# Altium PCB Gesturelink V1.PcbDoc (part 8 of 9) (continued)
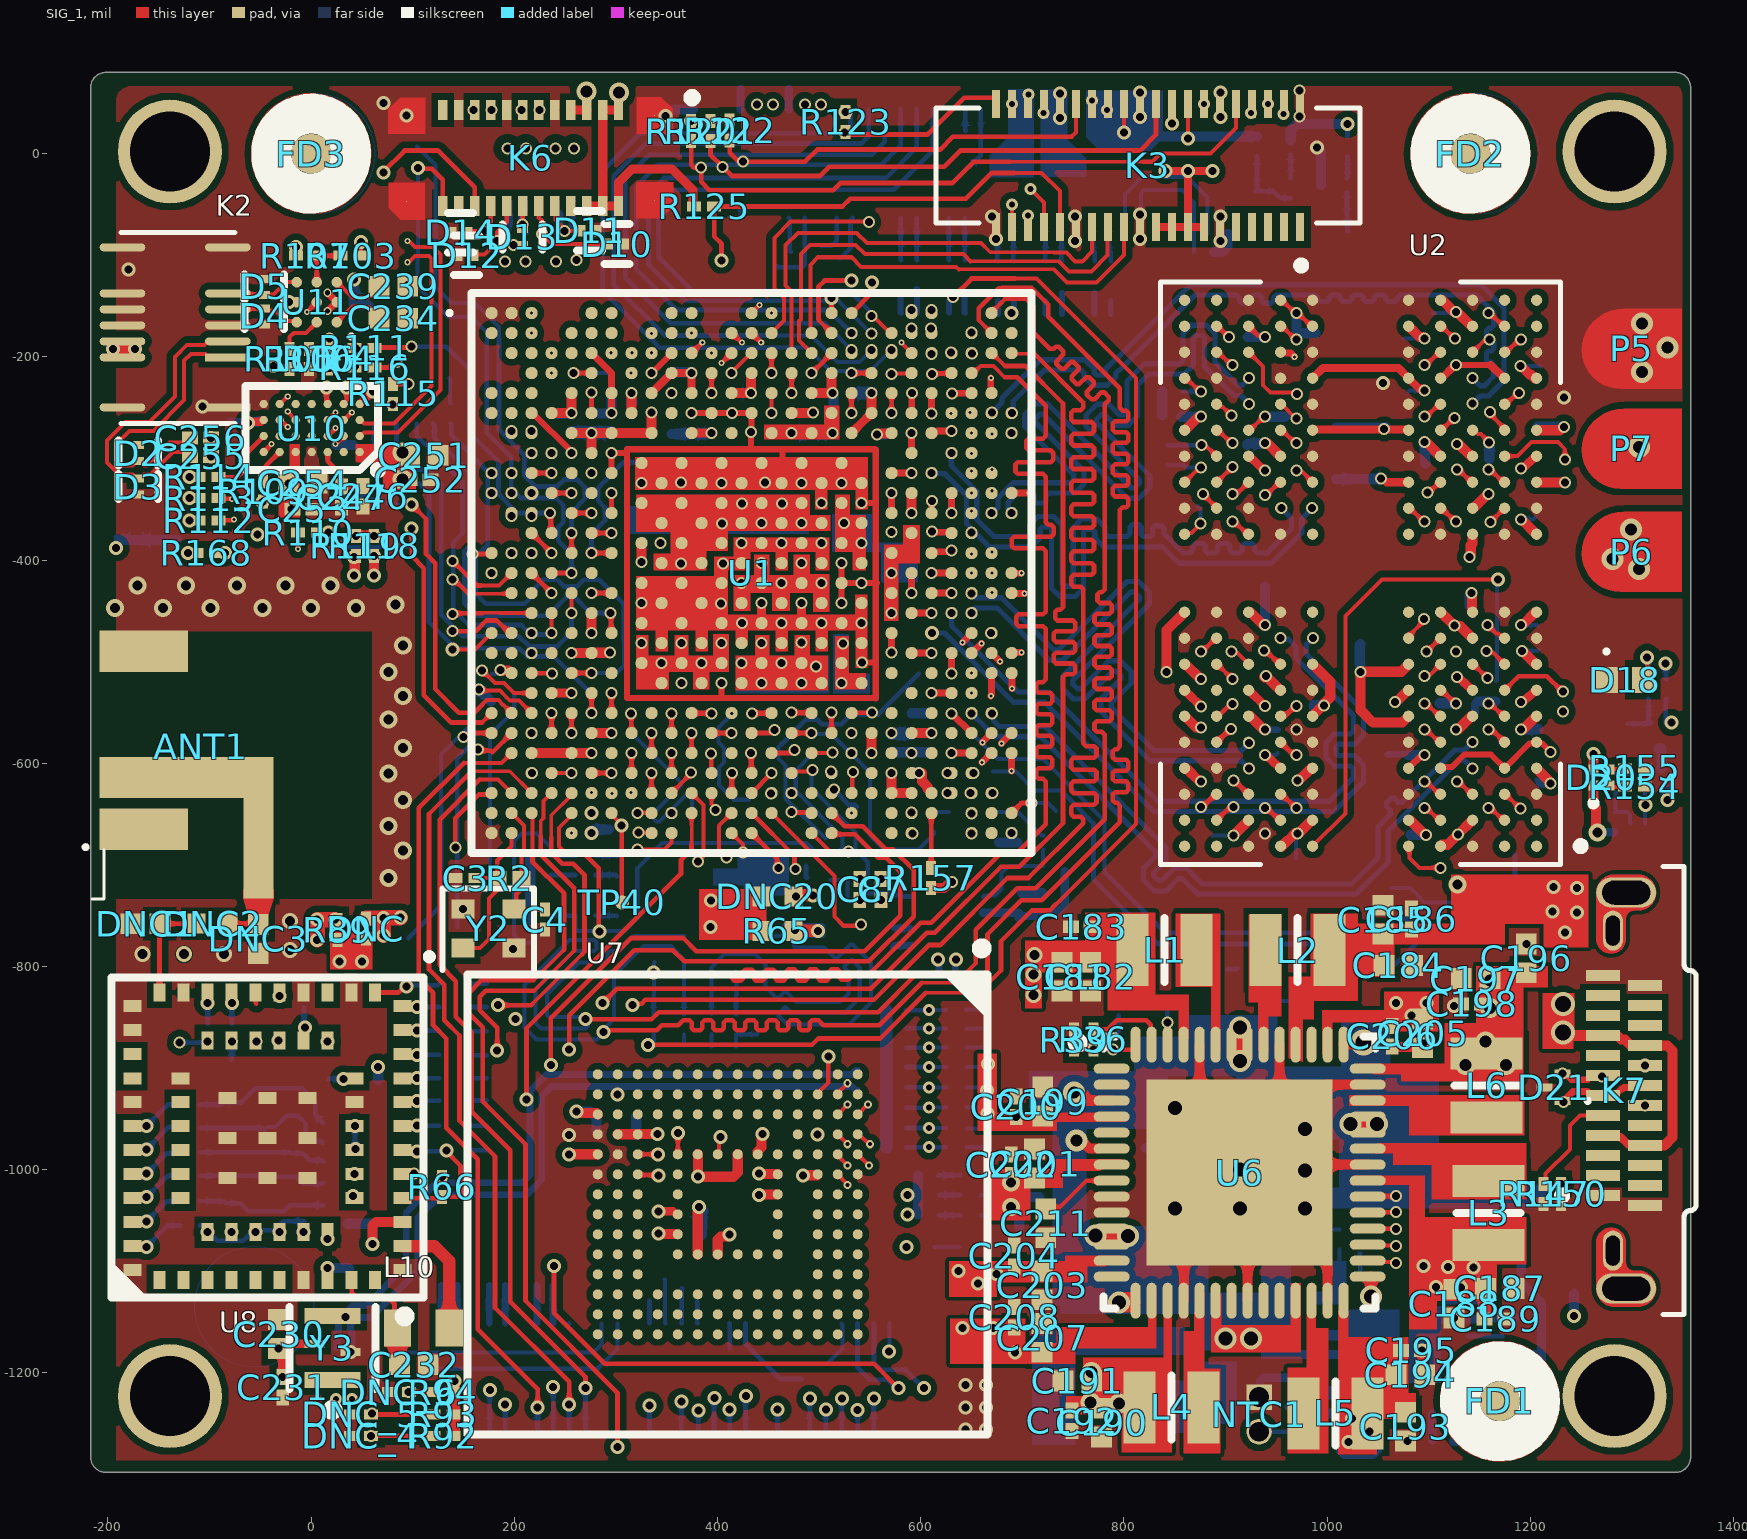
[diagram p0: SIG_1 view]
## Nets (pads, with @x,y where several pads share a name; then routed paths per layer and width w, separated by ;. In a path a pad name is that pad's centre, name@x,y a point inside that pad or via, vN(x,y) a via of type N, cw(c..) or ccw(c..) an arc to the next point about the centre after c; other vN are vias at no path point) (continued)
  SIG_1 w4: v2(254,-984.99) v2@254.06,-984.94 ; v2@480,-1006.52 480.53,-1005.99 v2(484.2,-1005.99) ; U7.C6@497.68,-1005.57 U7.C6@498.63,-1004.62
  SIG_1 w10: v2@254.06,-984.94 U7.P5@282.09,-984.94 ; v2@259.22,-942.77 260.16,-943.72 262.4,-943.72 262.91,-944.23 280.76,-944.23 U7.P3@282.09,-945.57 ; U7.N4@301.78,-965.25 U7.M4@321.46,-965.25 321.59,-965.12 340.87,-965.12 v2(341,-964.99) ; v2(484.2,-1005.99) 484.62,-1005.57 U7.C6@497.68,-1005.57 ; U1.E17@492.53,-235.67 v1(513,-235.67) ; v1@512.21,-235.67 U1.D18@512.21,-215.98
  SIG_4 w4: v1(513,-235.67) C83.2@514,-236.67
  SIG_4 w10: v2@259,-942.99 275,-942.99 281,-948.99 281,-961.82 C221.2@283,-963.82 ; C223.2@320.76,-946.99 320,-947.76 C222.2@320,-965.99 321,-964.99 v2(341,-964.99) ; C85.2@514,-255.99 C83.2@514,-236.67
  SIG_4 w12: R48.2@565.76,-842.99 566.08,-843.31 566.08,-860.99 566.08,-879.99 566.08,-898.99 566.08,-918.99 R51.2@566.08,-938.99 v24(566.08,-958.99) v24(566.08,-977.99)
  other v2: 261,-942.99
  other v17: 393,-760.99 393.8,-734.99
  other v24: 438.42,-846.49
VDD_SOC_0V8: C22.2 C23.2 C24.2 C25.2 C26.2 C27.2 C28.2 C29.2 C30.2 C31.2 C32.2 C33.2 C34.2 C35.2 C36.2 C37.2 C38.2 C39.2 C40.2 C41.2 C42.2 C43.2 C44.2 C45.2 C46.2 C48.2 C59.2 C60.2 C61.2 C64.2 C65.2 C67.2 C193.2 C194.2 C195.2 C196.2 C197.2 C198.2 L5.2 L6.2 U1.AAC1 U1.AAC3 U1.AAC5 U1.AAC7 U1.AAC9 U1.AAD2 U1.AAD4 U1.AAD6 U1.AAD8 U1.AAD10 U1.AAE3 U1.AAE5 U1.AAF2 U1.AAF4 U1.AAG7 U1.AAG9 U1.AAH6 U1.AAH8 U1.AAH10 U1.AAL7 U1.AAL9 U1.AAM6 U1.AAM8 U1.AAM10 U1.E5 U1.F4 U1.F8 U1.F18 U1.G15 U1.G17 U6.28 U6.42 | length 138.7
  SIG_1 w10: U1.F4@236.62,-255.35 v1(256.31,-255.35) U1.E5@256.31,-235.67 ; U1.F8@315.36,-255.35 v1(315.36,-235.67)
  SIG_4 w4: C61.2@255.67,-255.99 v1(256.31,-255.35)
  SIG_4 w10: C65.2@236.24,-255.99 C61.2@255.67,-255.99 ; C60.2@315.36,-254.96 v1(315.36,-235.67)
  SIG_4 w12: v1(473,-275.04) v1(513,-275.04)
  other v1: 443.32,-521.1 482.68,-521.1 496.87,-504.59 423.63,-501.42 463,-501.42 443.32,-481.73 482.68,-481.34 423.68,-422.73 463,-422.68 502.37,-422.68 364.26,-403.51 443.32,-402.99 482.68,-402.99 404.3,-363.98 443.32,-363.62 482.68,-363.62 423.98,-344.29 463.45,-344.39
  other v14: 1021,-1267.99 1041.5,-1257.99 1024.5,-1244.99
  other v43: 1136,-896.99 1176,-896.99 1156,-873.99 1160.35,-840.99 1160.35,-813.99
VDDQDDR_1V1: C50.2 C51.2 C52.2 C53.2 C54.2 C55.2 C56.2 C57.2 C58.2 C97.2 C98.2 C99.2 C100.2 C101.2 C102.2 C103.2 C104.2 C105.2 C106.2 C107.2 C108.2 C109.2 C110.2 C111.2 C112.2 C113.2 C114.2 C115.2 C116.2 C117.2 C127.2 C128.2 C129.2 C130.2 C131.2 C132.2 C133.2 C134.2 C135.2 C136.2 C138.2 C139.2 C140.2 C141.2 C142.2 C143.2 C144.2 C145.2 C146.2 C147.2 C148.2 C149.2 C150.2 C151.2 C184.2 C185.2 C186.2 L2.2 R6.2 R8.1 R9.1 R10.1 R11.1 R12.1 U1.AAC11 U1.AAD12 U1.AAE11 U1.AAF12 U1.AAL11 U1.AAM12 U1.G21 U1.M22 U1.N21 U1.R21 U2.A4 U2.A9 U2.AA3 U2.AA5 U2.AA8 U2.AA10 U2.AB4 U2.AB9 U2.B3 U2.B5 U2.B8 U2.B10 U2.D1 U2.D5 U2.D8 U2.D12 U2.F3 U2.F5 U2.F8 U2.F10 U2.H1 U2.H5 U2.H8 U2.H12 U2.K1 U2.K3 U2.K10 U2.K12 U2.N1 U2.N3 U2.N10 U2.N12 U2.R1 U2.R5 U2.R8 U2.R12 U2.U3 U2.U5 U2.U8 U2.U10 U2.W1 U2.W5 U2.W8 U2.W12 U6.46 | length 1960.9
  SIG_1 w3.94: U2.N12@859.77,-374.61 861.13,-373.25 866.41,-373.25 v1@875.81,-363.84 ; U2.R12@859.77,-323.43 870.7,-312.5 874.49,-312.5 v1@875.99,-310.99 ; U2.W12@859.77,-221.06 861.42,-221.06 874.35,-233.99 v1(875.99,-233.99) ; v1(907.02,-361.99) 908.58,-361.99 921.2,-374.61 U2.N10@922.76,-374.61 ; U2.U10@922.76,-272.24 924.25,-272.24 937.5,-258.99 v1(938.98,-258.99) ; U2.AB9@954.26,-144.29 955.78,-144.29 968.48,-156.99 v1(970.01,-156.99) 971.44,-156.99 984.33,-169.88 U2.AA8@985.76,-169.88 ; v1(970,-311.99) 971.51,-313.5 975.83,-313.5 U2.R8@985.76,-323.43 ; U2.B5@1080.24,-656.1 U2.B5@1081.67,-656.1 ; v1@1096.04,-670.47 v1(1097.47,-670.47) ; U2.F3@1141.74,-553.74 U2.F3@1143.24,-553.74 ; U2.U3@1143.24,-272.24 1145.15,-272.24 1148.71,-275.8 1151.21,-275.8 v1(1159.56,-284.15) ; U2.D1@1206.23,-605.57 U2.D1@1206.23,-604.92 ; v1(1220,-619.99) v1@1220,-619.34
  SIG_1 w4.58: U2.AA10@922.76,-169.88 932.12,-179.23 937.6,-179.23 v1(938.98,-180.62)
  SIG_1 w6.69: U2.D5@1080.24,-604.92 1093.17,-591.99 v1(1096,-591.99)
  SIG_1 w8: U2.U8@985.76,-272.24 986.33,-271.67 1055.33,-271.67 v1(1056,-270.99) 1056.67,-271.67 1079.67,-271.67 U2.U5@1080.24,-272.24 ; U2.W8@985.76,-221.06 995.83,-210.99 1070.17,-210.99 U2.W5@1080.24,-221.06 1090.67,-231.49 1094.49,-231.49 v1(1096,-232.99) ; v1(1053,-319.99) 1054.93,-319.99 1058.37,-323.43 U2.R5@1080.24,-323.43
  SIG_1 w10: v1(556.89,-276.71) 557.38,-276.71 558.63,-275.46 570.85,-275.46 U1.G21@571.27,-275.04 ; v1(841.94,-510.16) 841.94,-469.21 U2.K12@859.77,-451.38 ; U2.D12@859.77,-604.92 861.35,-604.92 874.42,-617.99 v1(876,-617.99) ; U2.H12@859.77,-502.56 860.67,-502.56 875.1,-516.99 v1(875.87,-516.99) v1@876,-516.99 ; v1(908,-670.99) 908,-670.93 922.76,-656.17 U2.B10@922.76,-656.1 ; U2.F10@922.76,-553.74 924.26,-553.74 937.51,-566.99 v1(939,-566.99) ; U2.K10@922.76,-451.38 924.57,-451.38 937.18,-463.99 v1(938.98,-463.99) ; U2.A9@954.26,-681.69 955.43,-681.69 961.19,-675.93 ; 961.95,-675.53 v1@968.48,-668.99 ; v1@970.01,-668.99 v1(970.98,-668.99) 971.93,-668.99 984.82,-656.1 U2.B8@985.76,-656.1 ; v1(970.78,-616.89) 972.29,-616.89 984.25,-604.92 U2.D8@985.76,-604.92 ; U2.F8@985.76,-553.74 985.76,-552.99 v1@996.38,-542.37 ; U2.H8@985.76,-502.56 1003,-519.8 1003,-535.03 997,-541.03 v1(997,-542.99) ; U2.F5@1080.24,-553.74 1080.13,-553.74 1073.87,-559.99 1045,-559.99 1033,-547.99 v1(1033,-509.99) 1073,-509.99 1080.24,-502.75 U2.H5@1080.24,-502.56 ; U2.AA5@1080.24,-169.88 1090.85,-180.49 1094.49,-180.49 v1(1096,-181.99) ; U2.B5@1081.67,-656.1 v1@1096.04,-670.47 ; U2.A4@1111.74,-681.69 1113.1,-680.34 1118.45,-680.34 v1(1128.56,-670.23) 1128.84,-670.23 1142.96,-656.1 U2.B3@1143.24,-656.1 ; U2.AB4@1111.74,-144.29 1113.52,-144.29 1125.22,-155.99 v1(1127,-155.99) 1128.17,-155.99 1142.06,-169.88 U2.AA3@1143.24,-169.88 ; v1@1128.49,-566.99 U2.F3@1141.74,-553.74 ; v1(1140,-396.99) 1140,-396.5 1141.36,-395.15 1141.36,-385.36 1143.17,-383.55 1143.17,-374.67 U2.N3@1143.24,-374.61 ; v1(1142,-432.23) 1142.62,-432.85 1142.62,-450.76 U2.K3@1143.24,-451.38 ; v1(1190.83,-463.99) 1192.22,-463.99 1204.84,-451.38 U2.K1@1206.23,-451.38 ; v1@1190.83,-208.99 1199.19,-217.34 1200.59,-217.34 1204.31,-221.06 U2.W1@1206.23,-221.06 ; v1(1191,-359.99) 1191.31,-359.99 1205.92,-374.61 U2.N1@1206.23,-374.61 ; v1(1191.91,-489.76) 1192.67,-489.76 1205.47,-502.56 U2.H1@1206.23,-502.56 ; U2.D1@1206.23,-605.57 v1@1220,-619.34 ; U2.R1@1206.23,-323.43 1206.49,-323.69 1233.74,-323.69 v1(1234,-323.94)
  SIG_4 w3.94: C112.2@857,-233.99 C112.2@858.24,-233.99 v1(875.99,-233.99) ; v1(997,-542.99) v1@997.83,-543.82 ; C100.2@1080,-233.99 1081,-232.99 v1(1096,-232.99) ; C101.2@1159.56,-300.32 C101.2@1160,-300.76 ; v1(1190.83,-463.99) 1206.76,-463.99 C144.2@1207,-464.23 ; v1(1191,-359.99) 1202.76,-359.99 C129.2@1205,-357.76 ; v1(1191.91,-489.76) 1206.99,-489.76 C128.2@1208,-488.76 ; C98.2@1206,-616.23 C98.2@1209.76,-619.99 ; C147.2@1214,-323.94 v1(1234,-323.94)
  SIG_4 w4: R8.1@843,-306.68 858.92,-306.68 C149.2@861,-308.76 861.24,-308.99 v1(876,-308.99) ; C146.2@872.56,-347.08 C146.2@874.47,-348.99 875.29,-349.81 v1(875.29,-363.84) ; C110.2@887,-671.76 887.76,-670.99 v1(908,-670.99) ; C102.2@921,-179.76 C102.2@921.86,-180.62 ; C127.2@938.76,-425.99 C127.2@938.98,-426.21 ; C117.2@958.24,-258.99 C117.2@959,-258.23 ; C97.2@969.17,-693.99 969.17,-670.8 v1(970.98,-668.99) ; C143.2@984,-545.76 C143.2@986.76,-542.99 ; C130.2@988.47,-176.76 C130.2@989.24,-175.99 ; C113.2@1076.24,-181.99 v1(1096,-181.99) ; C107.2@1082,-670.76 C107.2@1082.28,-670.47 ; C111.2@1104.47,-156.99 1126,-156.99 v1(1127,-155.99) ; v1@1140.17,-434.06 v1(1142,-432.23) ; R12.1@1165.45,-539.23 R12.1@1166,-538.68 ; v1(1190.11,-209.02) 1209.26,-209.02 C115.2@1210,-209.76
  SIG_4 w6.69: v1(939,-566.99) C105.2@951.24,-566.99 ; C99.2@1060,-591.23 C151.2@1079,-591.23 C151.2@1079.76,-591.99
  SIG_4 w8: v1(1127,-566.99) 1128.49,-565.5 1130.84,-565.5 1145.57,-550.76 1145.57,-541.65 C108.2@1148,-539.23 ; C98.2@1209.76,-619.99 v1(1220,-619.99)
  SIG_4 w10: v1(556.89,-276.71) 557.38,-276.71 558.15,-275.94 569.97,-275.94 569.97,-275.55 C57.2@571.27,-274.25 ; C102.2@921.86,-180.62 v1(938.98,-180.62) ; v1(938.98,-463.99) C127.2@938.98,-426.21 ; v1(938.98,-258.99) C117.2@958.24,-258.99 ; v1(970.01,-156.99) C109.2@970,-176.76 C130.2@988.47,-176.76 ; C143.2@986.76,-542.99 v1(997,-542.99) ; C142.2@1009,-320.23 C134.2@1053,-320.23 ; C132.2@1009,-269.46 C131.2@1057.53,-269.46 ; v1(1033,-509.99) 1032.88,-509.87 1032.88,-502.7 1032.17,-501.99 1032.17,-483.82 C150.2@1033,-482.99 ; v1(1056,-270.99) C131.2@1057.53,-269.46 ; C131.2@1058,-268.99 C131.2@1057.53,-269.46 ; C151.2@1079.76,-591.99 v1(1096,-591.99) ; C107.2@1082.28,-670.47 v1(1097.47,-670.47) ; C135.2@1140.17,-444.99 v1@1140.17,-434.06 ; C108.2@1148,-539.23 R12.1@1165.45,-539.23 ; C101.2@1159.56,-300.32 v1(1159.56,-284.15)
  other v1: 1232,-548.99 522.05,-521.1 523.38,-482.02 571.27,-452.21 571.27,-412.83 541.74,-383.31 524.38,-363.62
  other v14: 1233.94,-766.57 1246,-746.99 1222,-745.99 1246,-722.99 1223,-721.99
  other v16: 1128.16,-719.15
VPP_DDR_1V8: C118.2 C119.2 C120.2 C121.2 C122.2 C123.2 C124.2 C125.2 C126.2 C205.2 C206.2 U2.F1 U2.F12 U2.G4 U2.G9 U2.T4 U2.T9 U2.U1 U2.U12 U6.44 | length 298
  SIG_1 w4.58: U2.G4@1111.74,-528.15 1112.95,-528.15 1125.79,-540.99 v1(1127,-540.99)
  SIG_1 w10: U2.F12@859.77,-553.74 860.05,-553.74 870.95,-564.65 875.65,-564.65 v1(876,-564.99) ; U2.U12@859.77,-272.24 860.05,-272.24 872.95,-259.34 875.65,-259.34 v1(876,-258.99) ; v1@938,-514.99 938.35,-515.34 941.17,-515.34 953.98,-528.15 U2.G9@954.26,-528.15 ; v1(938.98,-284.99) 939.33,-285.34 941.49,-285.34 953.98,-297.83 U2.T9@954.26,-297.83 ; v1(1096,-283.99) 1096.35,-284.34 1097.97,-284.34 1111.46,-297.83 U2.T4@1111.74,-297.83 ; v1(1190.83,-566.99) 1191.18,-566.65 1193.05,-566.65 1205.95,-553.74 U2.F1@1206.23,-553.74 ; U2.U1@1206.23,-272.24 1229.26,-272.24 1232.51,-268.99 v1(1233,-268.99)
  SIG_4 w4: C118.2@1109,-539.23 C118.2@1110.76,-540.99 ; C126.2@1232.47,-268.46 v1(1233,-268.99)
  SIG_4 w10: C122.2@856.24,-258.99 v1(876,-258.99) ; C121.2@921,-286.52 922.18,-285.34 938.64,-285.34 v1(938.98,-284.99) ; v1(1096,-283.99) 1096.35,-284.34 1096.35,-304.1 C120.2@1097,-304.76 ; C118.2@1110.76,-540.99 v1(1127,-540.99) ; v1(1190.83,-566.99) 1191.18,-566.65 1207.58,-566.65 C125.2@1208,-566.23 ; C119.2@1207,-268.46 C126.2@1232.47,-268.46
  other v1: 939.6,-514.39
  other v2: 1083,-848.19 1068,-835.99 1098,-835.99
VREFDDR: U6.45
VUSB: C152.2 C153.2 D1.2 F1.1 U20.2 | length 47.6
  SIG_4 w8: U20.2@1138.87,-1146.42 1185,-1146.42 v23(1185,-1144.99)
  other v23: 1096,-1196.99 1096,-1171.99 1096,-1148.99 1150,-979.99 1150,-947.99
WAKEUPn_PMIC: R30.1 U1.AF5 | length 731.1
  SIG_1 w3.6: 249.49,-687.48 243.98,-681.97 243.98,-663.45 256.31,-651.12 U1.AF5@256.31,-649.06
  SIG_1 w4.67: 249.49,-687.48 267.49,-687.48 283.18,-703.17 283.18,-765.03 v21(283.6,-765.45)
  SIG_2 w4.67: v21(283.6,-765.45) 284.24,-764.81 297.49,-764.81 299.83,-762.47 369.48,-762.47 403,-795.99 403,-872.99 472.5,-942.49 472.5,-960.86 514,-1002.36 514,-1025.99 547.78,-1059.77 620.78,-1059.77 638.16,-1077.15 v7(638.16,-1103.99)
WIFI_JTAG_SEL: K4.41 U8.53 | length 1103.8
  HI_SPEED_SIG_2 w4.67: v2@-31.13,-872.99 -31.13,-932.13 -99,-999.99 -99,-1150.99 -69,-1180.99 -69,-1216.99 -54,-1231.99 -20,-1231.99 11,-1200.99 49,-1200.99 115,-1266.99 250,-1266.99 318,-1198.99 395.6,-1198.99 402.78,-1206.17 v20(482.84,-1206.17)
  SIG_4 w4.63: K4.41@427.46,-1151.3 427.46,-1171.46 462.17,-1206.17 v20(482.84,-1206.17)
  other v2: -32.13,-872.99
WIFI_NTRST: K4.39 U8.63 | length 609.6
  HI_SPEED_SIG_1 w4.63: v25(-102,-1061.57) -102,-1075.99 16,-1193.99 v42(249,-1193.99)
  SIG_3 w4.63: v42(249,-1193.99) 296,-1193.99 302,-1187.99 400,-1187.99 v36(412,-1175.99)
  SIG_4 w4.58: K4.39@411.72,-1151.3 411.86,-1151.44 411.86,-1175.85 v36(412,-1175.99)
WIFI_SDIO_CLK: R88.2 TP6.12 U8.33 | length 56
  SIG_1 w4.58: U8.33@-176.02,-1075.35 -175.7,-1075.67 -162.37,-1075.67 v2(-162.05,-1075.99)
  SIG_4 w4.58: v2(-162.05,-1075.99) -141.05,-1054.99 R88.2@-129,-1054.99
WIFI_SDIO_CMD: R84.2 TP1.12 U8.28 | length 71.1
  SIG_1 w4.58: U8.28@-176.02,-957.24 -175.89,-957.12 -162.18,-957.12 v2(-162.05,-956.99)
  SIG_4 w4.58: TP1.12@-178,-956.99 TP1.12@-176,-956.99 v2(-162.05,-956.99) -141.05,-935.99 R84.2@-129.68,-935.99
WIFI_SDIO_DAT0: R85.2 TP3.12 U8.30 | length 70.3
  SIG_1 w4.58: U8.30@-176.02,-1004.49 -175.77,-1004.24 -162.3,-1004.24 v2(-162.05,-1003.99)
  SIG_4 w4.58: TP3.12@-176,-1005.99 -175,-1004.99 v2@-162.05,-1004.99 ; v2(-162.05,-1003.99) -142.05,-983.99 -130,-983.99 R85.2@-129,-982.99
WIFI_SDIO_DAT1: R185.2 TP2.12 U8.29 | length 71.3
  SIG_1 w4.58: U8.29@-176.02,-980.87 -175.58,-980.43 -162.49,-980.43 v2(-162.05,-979.99)
  SIG_4 w4.58: TP2.12@-176,-980.99 -175.5,-980.49 -162.5,-980.49 -145,-962.99 -140,-957.99 -130,-957.99 R185.2@-129,-958.99
WIFI_SDIO_DAT2: R87.2 TP5.12 U8.32 | length 69.6
  SIG_1 w4.58: U8.32@-176.02,-1051.73 -175.65,-1051.36 -161.37,-1051.36 v2@-161,-1050.99
  SIG_4 w4.58: TP5.12@-175,-1050.99 v2(-162.05,-1050.99) -142.05,-1030.99 R87.2@-129,-1030.99
WIFI_SDIO_DAT3: R86.2 TP4.12 U8.31 | length 70.1
  SIG_1 w4.58: U8.31@-176.02,-1028.11 -175.46,-1027.55 -162.61,-1027.55 v2(-162.05,-1026.99)
  SIG_4 w4.58: TP4.12@-176,-1026.99 v2(-162.05,-1026.99) -141.05,-1005.99 R86.2@-129,-1005.99
WIFI_SDMMC3_CK: R88.1 U1.A26 | length 2102
  SIG_1 w3.6: U1.A26@669.69,-156.4 677.4,-148.69
  SIG_1 w3.7: 596,-806.99 644,-806.99 654,-796.99
  SIG_1 w4.58: v21(270,-851.99) 335,-851.99 342,-844.99 558,-844.99 596,-806.99 ; 654,-796.99 654,-763.99 695,-722.99 713,-722.99 781,-654.99 781,-574.17 781,-571.88 778.32,-569.2 773.19,-569.2 771.08,-567.08 771.08,-560.74 773.19,-558.62 785.81,-558.62 787.93,-556.51 787.93,-550.16 785.81,-548.05 773.19,-548.05 771.08,-545.93 771.08,-539.59 773.19,-537.47 785.81,-537.47 787.93,-535.36 787.93,-529.01 785.81,-526.9 773.19,-526.9 771.08,-524.78 771.08,-518.44 773.19,-516.32 785.81,-516.32 787.93,-514.21 787.93,-507.86 785.81,-505.75 773.19,-505.75 771.08,-503.63 771.08,-497.29 773.19,-495.17 785.81,-495.17 787.93,-493.06 787.93,-486.71 785.81,-484.6 773.19,-484.6 771.08,-482.48 771.08,-476.14 773.19,-474.02 785.81,-474.02 787.93,-471.91 787.93,-465.56 785.81,-463.45 773.19,-463.45 771.08,-461.33 771.08,-454.99 773.19,-452.87 785.81,-452.87 787.93,-450.76 787.93,-444.41 785.81,-442.3 776.11,-442.3 773.99,-440.18 773.99,-433.84 776.11,-431.72 778.32,-431.72 781,-429.04 781,-415.55 781,-273.73 781,-246.71 785.15,-242.55 785.15,-239.56 780.66,-235.08 777.67,-235.08 771.08,-241.67 768.09,-241.67 763.61,-237.18 763.61,-234.19 770.2,-227.6 770.2,-224.61 765.71,-220.12 762.72,-220.12 756.13,-226.71 753.14,-226.71 748.65,-222.22 748.65,-219.23 755.24,-212.64 755.24,-209.65 750.75,-205.17 747.76,-205.17 741.17,-211.76 738.18,-211.76 733.7,-207.27 733.7,-204.28 740.28,-197.69 740.28,-194.7 735.8,-190.21 732.81,-190.21 730.91,-192.11 727.12,-192.11 725.5,-190.49 711,-175.99 711,-150.44 703.19,-142.63 683.46,-142.63 677.4,-148.69 ; U1.A26@669.69,-156.93 U1.A26@669.69,-156.4
  SIG_2 w4: 90.83,-1016.82 113.17,-1016.82
  SIG_2 w4.63: v7(-7,-1050.99) -7,-960.99
  SIG_2 w4.67: -7,-960.99 -7,-947.99 1,-939.99 49,-939.99 59,-949.99 59,-984.99 90.83,-1016.82 ; 113.17,-1016.82 136,-993.99 174,-993.99 269.76,-898.24 269.76,-852.24 v21(270,-851.99)
  SIG_4 w4.58: R88.1@-109.32,-1054.99 -107.35,-1054.99 -92.35,-1069.99 -67,-1069.99 -56.67,-1059.66 -36.17,-1059.66 -27.5,-1050.99 v7(-7,-1050.99)
WIFI_SDMMC3_CMD: R72.1 R84.1 U1.B26 | length 2069.4
  SIG_1 w3.6: 657.37,-164.29 U1.B26@669.69,-176.61
  SIG_1 w3.7: 601,-815.99 653,-815.99 665.71,-803.28
  SIG_1 w4.58: v21(288,-864.67) 289.68,-862.99 340,-862.99 345,-857.99 359,-857.99 361.29,-857.99 363.97,-855.31 363.97,-855.18 366.08,-853.07 372.43,-853.07 374.54,-855.18 374.54,-860.8 376.66,-862.92 383,-862.92 385.12,-860.8 385.12,-855.18 387.23,-853.07 393.58,-853.07 395.69,-855.18 395.69,-860.8 397.81,-862.92 404.15,-862.92 406.27,-860.8 406.27,-855.18 408.38,-853.07 414.73,-853.07 416.84,-855.18 416.84,-860.8 418.96,-862.92 425.3,-862.92 427.42,-860.8 427.42,-855.18 429.53,-853.07 435.88,-853.07 437.99,-855.18 437.99,-860.8 440.11,-862.92 446.45,-862.92 448.57,-860.8 448.57,-855.18 450.68,-853.07 457.03,-853.07 459.14,-855.18 459.14,-860.8 461.26,-862.92 467.6,-862.92 469.72,-860.8 469.72,-855.18 471.83,-853.07 478.18,-853.07 480.29,-855.18 480.29,-860.8 482.41,-862.92 488.75,-862.92 490.87,-860.8 490.87,-855.18 492.98,-853.07 499.33,-853.07 501.44,-855.18 501.44,-855.31 504.12,-857.99 512,-857.99 559,-857.99 601,-815.99 ; 657,-163.92 657,-152.19 676.76,-132.43 679.57,-132.43 680,-131.99 709,-131.99 725.5,-148.49 725.5,-160.49 796,-230.99 796,-247.99 796,-250.28 798.68,-252.96 802.1,-252.96 804.21,-255.07 804.21,-261.42 802.1,-263.53 791.19,-263.53 789.07,-265.65 789.07,-271.99 791.19,-274.11 802.1,-274.11 804.21,-276.22 804.21,-282.57 802.1,-284.68 791.19,-284.68 789.07,-286.8 789.07,-293.14 791.19,-295.26 802.1,-295.26 804.21,-297.38 804.21,-303.72 802.1,-305.84 791.19,-305.84 789.07,-307.95 789.07,-314.3 791.19,-316.41 802.1,-316.41 804.21,-318.53 804.21,-324.87 802.1,-326.99 791.19,-326.99 789.07,-329.1 789.07,-335.45 791.19,-337.56 802.1,-337.56 804.21,-339.67 804.21,-346.02 802.1,-348.13 798.68,-348.13 796,-350.81 796,-353.99 796,-580.99 796,-583.47 793.32,-586.15 791.19,-586.15 789.07,-588.26 789.07,-594.61 791.19,-596.72 802.1,-596.72 804.21,-598.84 804.21,-605.18 802.1,-607.3 791.19,-607.3 789.07,-609.41 789.07,-615.76 791.19,-617.87 802.1,-617.87 804.21,-619.99 804.21,-626.33 802.1,-628.45 791.19,-628.45 789.07,-630.56 789.07,-636.91 791.19,-639.02 793.32,-639.02 796,-641.7 796,-643.99 796,-657.99 719,-734.99 699,-734.99 665.71,-768.28 665.71,-803.28
  SIG_2 w4: 82.78,-1024.99 124,-1024.99
  SIG_2 w4.67: v7(12,-954.21) 82.78,-1024.99 ; 124,-1024.99 143,-1005.99 177,-1005.99 277.92,-905.07 277.92,-877.21 288,-867.13 v21(288,-864.67)
  SIG_4 w4.58: R84.1@-110,-935.99 -88,-935.99 R72.1@-86,-933.99 -69,-933.99 -55,-919.99 -9,-919.99 3.89,-932.88 3.89,-946.1 v7(12,-954.21)
WIFI_SDMMC3_DAT0: R70.1 R85.1 U1.C27 | length 2062.2
  SIG_1 w3.6: U1.C27@690.07,-196.99 712,-196.99
  SIG_1 w4.58: v21(316.2,-838.05) 317.49,-836.77 325.22,-836.77 329,-832.99 554,-832.99 608,-778.99 619,-778.99 685,-712.99 706,-712.99 760,-658.99 760,-657.56 760,-655.27 757.32,-652.59 750.39,-652.59 748.07,-650.28 748.07,-643.33 750.39,-641.02 770.61,-641.02 772.93,-638.7 772.93,-631.76 770.61,-629.44 750.39,-629.44 748.07,-627.13 748.07,-620.18 750.39,-617.87 770.61,-617.87 772.93,-615.55 772.93,-608.61 770.61,-606.29 750.39,-606.29 748.07,-603.98 748.07,-597.03 750.39,-594.72 770.61,-594.72 772.93,-592.4 772.93,-585.46 770.61,-583.14 762.68,-583.14 760,-580.46 760,-535.99 760,-431.2 760,-428.91 757.32,-426.23 750.39,-426.23 748.08,-423.92 748.08,-416.97 750.39,-414.66 768.18,-414.66 770.5,-412.34 770.5,-405.4 768.18,-403.08 750.39,-403.08 748.08,-400.77 748.08,-393.82 750.39,-391.51 768.18,-391.51 770.5,-389.19 770.5,-382.25 768.18,-379.93 750.39,-379.93 748.08,-377.62 748.08,-370.67 750.39,-368.36 768.18,-368.36 770.5,-366.04 770.5,-359.1 768.18,-356.78 750.39,-356.78 748.08,-354.47 748.08,-347.52 750.39,-345.21 768.18,-345.21 770.5,-342.89 770.5,-335.95 768.18,-333.63 750.39,-333.63 748.08,-331.32 748.08,-324.37 750.39,-322.06 768.18,-322.06 770.5,-319.74 770.5,-312.8 768.18,-310.48 750.39,-310.48 748.08,-308.17 748.08,-301.22 750.39,-298.91 768.18,-298.91 770.5,-296.59 770.5,-289.65 768.18,-287.33 750.39,-287.33 748.08,-285.02 748.08,-278.07 750.39,-275.76 768.18,-275.76 770.5,-273.44 770.5,-266.5 768.18,-264.18 750.39,-264.18 748.08,-261.87 748.08,-254.92 750.39,-252.61 757.32,-252.61 760,-249.93 760,-244.99 758.6,-243.6 712,-196.99 ; U1.C27@689.38,-196.3 U1.C27@690.07,-196.99
  SIG_2 w4: 66.09,-1044.99 140,-1044.99
  SIG_2 w4.63: 316.2,-874.39 v21(316.2,-838.05)
  SIG_2 w4.67: v7(12.02,-992.43) 13.52,-992.43 66.09,-1044.99 ; 140,-1044.99 155,-1029.99 259,-1029.99 301,-987.99 301,-895.99 316.2,-880.79 316.2,-874.39
  SIG_4 w4.58: R85.1@-109.32,-982.99 -20.84,-982.99 R70.1@-20,-983.83 -8.16,-983.83 -1.33,-990.67 10.26,-990.67 v7(12.02,-992.43)
WIFI_SDMMC3_DAT1: R71.1 R185.1 U1.D25 | length 2063.2
  SIG_1 w3.6: U1.D25@652.07,-215.98 659.06,-208.99 671.55,-208.99 682.55,-219.99
  SIG_1 w4.58: v21(337.01,-805.99) 338.01,-806.99 399,-806.99 411.86,-806.99 414.54,-809.67 414.54,-811.8 416.66,-813.92 423,-813.92 425.12,-811.8 425.12,-805.26 427.23,-803.14 433.58,-803.14 435.69,-805.26 435.69,-811.8 437.81,-813.92 444.15,-813.92 446.27,-811.8 446.27,-805.26 448.38,-803.14 454.73,-803.14 456.84,-805.26 456.84,-811.8 458.96,-813.92 465.3,-813.92 467.42,-811.8 467.42,-805.18 469.53,-803.07 475.88,-803.07 477.99,-805.18 477.99,-811.8 480.11,-813.92 486.45,-813.92 488.57,-811.8 488.57,-805.18 490.68,-803.07 497.03,-803.07 499.14,-805.18 499.14,-811.8 501.26,-813.92 507.6,-813.92 509.72,-811.8 509.72,-805.18 511.83,-803.07 518.18,-803.07 520.29,-805.18 520.29,-810.97 522.41,-813.08 528.75,-813.08 530.87,-810.97 530.87,-809.67 533.55,-806.99 542.64,-806.99 550,-806.99 600,-756.99 610.34,-756.99 677.34,-689.99 693,-689.99 723,-659.99 723,-620.36 723,-618.07 720.32,-615.39 715.9,-615.39 713.78,-613.28 713.78,-606.93 715.9,-604.82 727.28,-604.82 729.39,-602.7 729.39,-596.36 727.28,-594.24 715.9,-594.24 713.78,-592.13 713.78,-585.78 715.9,-583.67 727.28,-583.67 729.39,-581.55 729.39,-575.21 727.28,-573.09 715.9,-573.09 713.78,-570.98 713.78,-564.63 715.9,-562.52 727.28,-562.52 729.39,-560.4 729.39,-554.06 727.28,-551.94 715.9,-551.94 713.78,-549.83 713.78,-543.48 715.9,-541.37 727.28,-541.37 729.39,-539.25 729.39,-532.91 727.28,-530.79 715.9,-530.79 713.78,-528.68 713.78,-522.33 715.9,-520.22 720.32,-520.22 723,-517.54 723,-482.98 723,-470.01 723,-467.72 720.32,-465.04 696.23,-465.04 693.91,-462.73 693.91,-455.78 696.23,-453.47 720.32,-453.47 723,-450.79 723,-431.6 723,-393.55 723,-391.26 720.32,-388.58 692.07,-388.58 689.75,-386.26 689.75,-379.32 692.07,-377 728.5,-377 730.82,-374.69 730.82,-367.74 728.5,-365.43 725.68,-365.43 723,-362.75 723,-354.15 723,-320.21 723,-317.93 720.32,-315.25 695.58,-315.25 693.27,-312.93 693.27,-305.99 695.58,-303.67 728.06,-303.67 730.38,-301.36 730.38,-294.41 728.06,-292.1 706.05,-292.1 703.74,-289.78 703.74,-282.84 706.05,-280.52 720.32,-280.52 723,-277.84 723,-260.99 723,-247.99 695,-219.99 682.55,-219.99 ; U1.D25@650.01,-215.98 U1.D25@652.07,-215.98
  SIG_2 w4: 74.7,-1034.99 133,-1034.99
  SIG_2 w4.63: 301.56,-830.54 300.97,-831.14 300.97,-842.91 301.56,-843.5 301.56,-852.9 302,-853.33 302,-875.69
  SIG_2 w4.67: v7(11.33,-973.66) 13.37,-973.66 74.7,-1034.99 ; 133,-1034.99 150,-1017.99 250,-1017.99 289,-978.99 289,-888.69 302,-875.69 ; 301.56,-830.54 301.56,-813.43 309,-805.99 v21(337.01,-805.99)
  SIG_4 w4: R71.1@-45.98,-960.83 -43.14,-957.99 -35,-957.99 -24,-946.99 -13,-946.99 -5.27,-954.72 -5.27,-962.72 -0.55,-967.45
  SIG_4 w4.58: R185.1@-109.32,-958.99 R71.1@-47.83,-958.99 ; -0.55,-967.45 3.91,-971.9 9.57,-971.9 v7(11.33,-973.66)
WIFI_SDMMC3_DAT2: R68.1 R87.1 U1.C26 | length 2065.1
  SIG_1 w3.6: U1.C26@670.28,-196.3 682.97,-208.99
  SIG_1 w4.58: v21(286.77,-835.99) 287,-835.99 301,-821.99 551,-821.99 606,-766.99 614,-766.99 679,-701.99 697,-701.99 740,-658.99 740,-527.99 740,-515.13 742.68,-512.45 749.81,-512.45 751.93,-510.33 751.93,-503.99 749.81,-501.87 733.19,-501.87 731.07,-499.76 731.07,-493.41 733.19,-491.3 749.81,-491.3 751.93,-489.18 751.93,-482.84 749.81,-480.72 733.19,-480.72 731.07,-478.61 731.07,-472.26 733.19,-470.15 749.81,-470.15 751.93,-468.03 751.93,-461.69 749.81,-459.57 734.49,-459.57 732.38,-457.46 732.38,-451.11 734.49,-449 737.32,-449 740,-446.32 740,-432.86 740,-245.99 703,-208.99 682.97,-208.99 ; U1.C26@669.69,-196.3 U1.C26@670.28,-196.3
  SIG_2 w4.63: 340,-787.99 354.2,-802.2 354.2,-856.99
  SIG_2 w4.67: v7(12,-1034.99) 33.76,-1056.76 33.76,-1068.7 63.06,-1097.99 282,-1097.99 324,-1055.99 324,-910.99 334.61,-900.38 338.48,-900.38 359.74,-921.65 363.33,-921.65 368.7,-916.28 368.7,-912.69 347.43,-891.43 347.43,-887.56 354.2,-880.79 354.2,-862.94 354.2,-856.99 ; v21(286.77,-835.99) 286.77,-809.23 308,-787.99 340,-787.99
  SIG_4 w4.58: R87.1@-109.32,-1030.99 -86.16,-1030.99 R68.1@-84,-1033.15 -69.84,-1033.15 -62,-1040.99 -27,-1040.99 -21,-1034.99 v7(12,-1034.99)
WIFI_SDMMC3_DAT3: R69.1 R86.1 U1.E19 | length 2043.9
  SIG_1 w3.7: 605,-825.99 657,-825.99 679,-803.99
  SIG_1 w4: 692.73,-122.99 714,-122.99 812,-220.99 812,-659.99 733,-738.99
  SIG_1 w4.58: v21(331.48,-877.47) 331.97,-876.99 493,-876.99 499,-870.99 560,-870.99 605,-825.99 ; v5(531.9,-255.35) U1.E19@531.9,-235.67 ; v5(632,-140.99) 650,-122.99 692.73,-122.99 ; 679,-803.99 679,-775.24 709.25,-744.99 727,-744.99 733,-738.99
  HI_SPEED_SIG_1 w4.63: v5(531.9,-255.35) 549.47,-255.35 595,-209.83 595,-192.99 603,-184.99 620,-184.99 632,-172.99 v5(632,-140.99)
  SIG_2 w4: 53.45,-1054.6 148.39,-1054.6
  SIG_2 w4.67: v7(12,-1013.15) 53.45,-1054.6 ; 148.39,-1054.6 160,-1042.99 266,-1042.99 313,-995.99 313,-902.99 323.53,-892.47 323.53,-887.9 331.48,-879.94 v21(331.48,-877.47)
  SIG_4 w4.58: R86.1@-109.32,-1005.99 -47.14,-1005.99 R69.1@-45.98,-1007.15 -14.84,-1007.15 -8,-1013.99 11.16,-1013.99 v7(12,-1013.15)